# Altium PCB Final_Fantasy.PcbDoc (part 3 of 3)
Units mm, origin at the board's own origin, x right, y up, seen from the top; angles counter-clockwise.
Board outline 152.4 x 101.6 mm, 4 copper layers (Component Side, Ground Plane, Power Plane, Solder Side), stack 0.651 mm thick; 184 components, 159 nets, 718 pads, 120 vias.
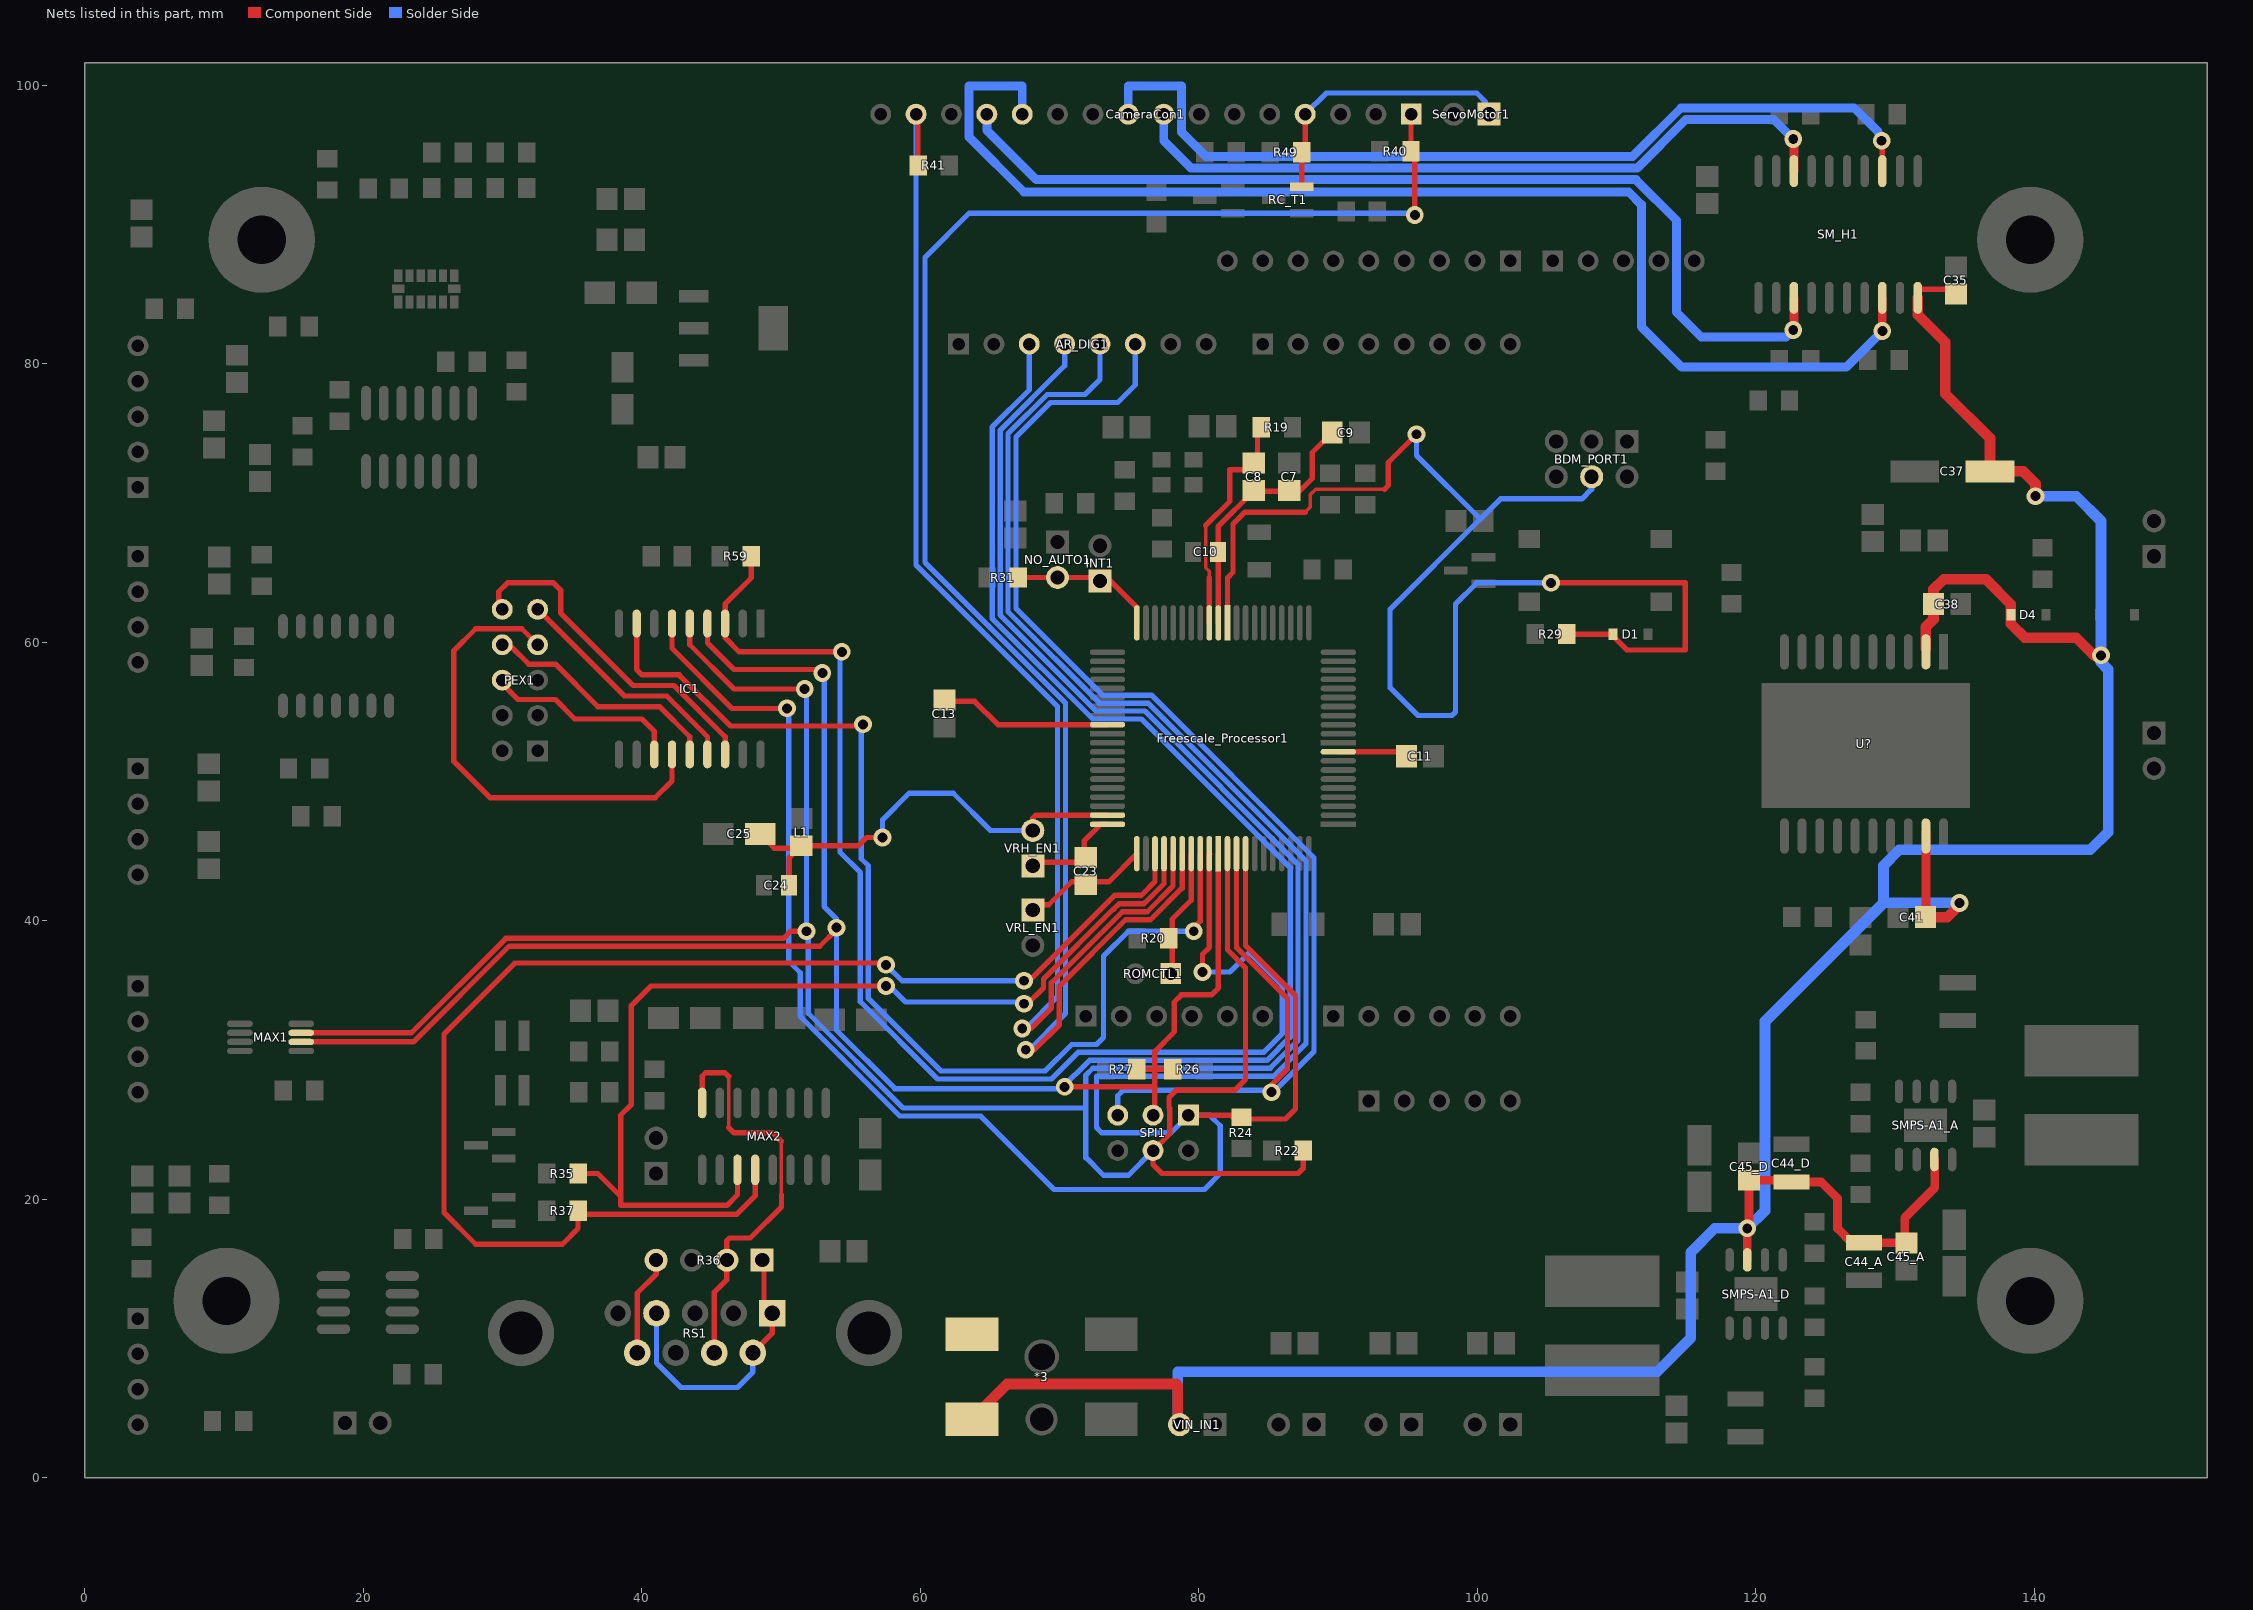
[diagram p5: the nets of this part, all layers, seen from the top]

## Via types
v1: diameter 1.27, hole 0.711, Component Side to Solder Side, 120 vias

## Nets (pads, with @x,y where several pads share a name; then routed paths per layer and width w, separated by ;. In a path a pad name is that pad's centre, name@x,y a point inside that pad or via, vN(x,y) a via of type N, cw(c..) or ccw(c..) an arc to the next point about the centre after c; other vN are vias at no path point) (continued)
PEX3: IC1.12 PEX1.6 | length 14.1
  Component Side w0.381: PEX1.6@30.099,57.152 30.099,56.896 31.115,55.88 33.784,55.88 35.179,54.485 40.005,54.485 40.894,53.596 IC1.12@40.894,51.943
PEX4: IC1.13 PEX1.7 | length 35.1
  Component Side w0.381: PEX1.7@32.258,59.563 32.768,59.563 31.369,60.962 28.067,60.962 26.479,59.374 26.479,51.454 29.1,48.833 40.957,48.833 42.164,50.04 IC1.13@42.164,51.943
PEX5: IC1.14 PEX1.8 | length 17.3
  Component Side w0.381: PEX1.8@30.099,59.692 30.605,59.692 31.875,58.422 33.782,58.422 36.832,55.372 41.275,55.372 43.434,53.213 IC1.14@43.434,51.943
PEX6: IC1.15 PEX1.9 | length 17.1
  Component Side w0.381: PEX1.9@32.639,62.232 38.737,56.134 41.783,56.134 44.704,53.213 IC1.15@44.704,51.943
PEX7: IC1.16 PEX1.10 | length 24.9
  Component Side w0.381: PEX1.10@30.099,62.232 29.718,62.613 29.718,63.629 30.353,64.264 33.653,64.264 34.163,63.754 34.163,62.103 39.37,56.896 42.291,56.896 45.974,53.213 IC1.16@45.974,51.943
PJ6: Freescale_Processor1.69 IC1.3 R59.1 | length 94.7
  Component Side w0.381: R59.1@47.861,66.169 47.861,64.625 45.974,62.738 IC1.3@45.974,61.343 45.974,60.325 46.99,59.309 v1(54.356,59.309) ; v1(80.264,36.322) 80.264,37.592 80.747,38.075 Freescale_Processor1.69@80.747,44.815 Freescale_Processor1.69@80.772,44.79
  Solder Side w0.381: v1(54.356,59.309) 54.229,59.309 54.229,44.912 55.689,43.451 55.689,34.18 61.231,28.639 69.406,28.639 71.31,30.543 84.645,30.543 85.979,31.877 85.979,35.369 83.629,37.719 82.233,36.322 v1(80.264,36.322)
PJ7: Freescale_Processor1.68 IC1.8 | length 80.4
  Component Side w0.381: IC1.8@39.624,61.343 39.624,58.039 40.005,57.658 42.672,57.658 46.355,53.975 55.753,53.975 v1(55.88,54.102) ; v1(79.629,39.243) 79.756,39.37 79.756,39.624 80.097,39.965 Freescale_Processor1.68@80.097,44.815
  Solder Side w0.381: v1(55.88,54.102) 55.753,54.102 55.753,44.45 56.261,43.942 56.261,34.417 61.468,29.21 68.961,29.21 70.866,31.115 72.644,31.115 73.152,31.623 73.152,37.465 74.93,39.243 v1(79.629,39.243) v1@79.629,39.497
R1: R36.1 RS1.1 RS1.4 RS1.6 | length 20.5
  Component Side w0.381: RS1.6@47.97,8.969 49.355,10.354 RS1.1@49.355,11.809 ; RS1.1@48.768,12.142 R36.1@48.768,16.129
  Solder Side w0.381: RS1.4@41.045,11.809 41.045,8.231 42.799,6.477 46.863,6.477 47.97,7.584 RS1.6@47.97,8.969
RESET: BDM_PORT1.4 D1.A Freescale_Processor1.30 R29.2 | length 102.2
  Component Side w0.254: 87.63,69.342 88.011,69.723 88.011,70.612 88.392,70.993 93.345,70.993
  Component Side w0.381: Freescale_Processor1.30@82.047,61.386 82.047,64.617 82.451,65.021 82.451,68.481 83.312,69.342 87.63,69.342 ; 93.345,70.993 93.599,71.247 93.599,72.898 v1(95.631,74.93) ; v1@105.537,64.262 114.935,64.262 114.935,59.436 110.744,59.436 109.601,60.579 106.553,60.579 R29.2@106.036,60.062
  Solder Side w0.381: v1(95.631,74.93) 95.631,73.406 100.203,68.834 93.726,62.357 93.726,56.734 95.723,54.737 98.171,54.737 98.425,54.991 98.425,62.738 99.949,64.262 v1(105.283,64.262) ; 99.949,69.1 100.209,68.84 101.663,70.294 107.505,70.294 108.204,70.993 BDM_PORT1.4@108.204,71.882
ROMCTL: Freescale_Processor1.67 R20.1 ROMCTL1.1 | length 8.9
  Component Side w0.381: ROMCTL1.1@78.232,36.576 78.087,36.721 78.087,40.114 79.446,41.473 Freescale_Processor1.67@79.446,44.815
RT: R36.4 RS1.9 | length 7.2
  Component Side w0.381: RS1.9@39.66,8.969 39.66,11.218 39.672,11.23 39.672,12.388 39.66,12.4 39.66,13.244 41.021,14.605 R36.4@41.021,15.621
RTS: MAX2.8 R36.2 RS1.7 | length 30
  Component Side w0.254: 46.228,25.146 46.228,28.82 ; 50.02,20.338 50.02,24.148
  Component Side w0.381: MAX2.8@44.323,26.911 44.323,28.829 44.577,29.083 45.965,29.083 46.228,28.82 ; RS1.7@45.2,8.969 45.2,13.323 46.101,14.224 R36.2@46.101,15.621 46.101,17.018 46.291,17.208 47.781,17.208 50.02,19.448 50.02,20.338 ; 46.228,25.146 46.609,24.765 49.403,24.765 50.02,24.148
RX_RS232: Freescale_Processor1.63 MAX2.12 R37.2 | length 100.1
  Component Side w0.381: MAX2.12@48.133,22.111 48.133,20.239 46.817,18.923 35.669,18.923 R37.2@35.415,19.177 35.415,17.889 34.29,16.764 28.067,16.764 25.781,19.05 25.781,31.865 30.873,36.957 57.404,36.957 v1(57.531,36.83) ; v1(67.437,35.687) 67.437,35.306 73.952,41.821 75.857,41.821 76.845,42.809 Freescale_Processor1.63@76.845,44.815
  Solder Side w0.381: v1(57.531,36.83) 58.674,35.687 67.056,35.687 67.437,36.068 v1(67.437,35.687)
"SERVO SIGNAL": CameraCon1.4 R49.2 RC_T1.2 ServoMotor1.1 | length 20
  Component Side w0.381: RC_T1.2@87.249,92.705 87.374,92.83 R49.2@87.374,95.057 ; R49.2@87.374,95.184 87.63,95.44 CameraCon1.4@87.63,97.917
  Solder Side w0.381: CameraCon1.4@87.63,97.917 89.154,99.441 99.949,99.441 100.584,98.806 ServoMotor1.1@100.584,97.917
SPI_MISO: AR_DIG1.5 Freescale_Processor1.73 IC1.6 R24.1 SPI1.1 | length 196.5
  Component Side w0.381: IC1.6@42.164,61.343 42.164,59.563 46.482,55.245 v1(50.419,55.245) ; SPI1.1@79.248,26.035 82.278,26.035 82.55,25.763 86.215,25.763 86.931,26.479 86.931,34.642 83.348,38.226 Freescale_Processor1.73@83.348,44.815
  Solder Side w0.381: v1(50.419,55.245) 50.546,55.118 50.546,37.084 51.371,36.258 51.371,33.118 58.518,25.971 64.325,25.971 69.596,20.701 80.391,20.701 81.534,21.844 81.534,25.273 80.772,26.035 SPI1.1@79.248,26.035 77.978,24.765 73.025,24.765 72.644,25.146 72.644,28.829 85.356,28.829 87.694,31.167 87.694,44.285 76.353,55.626 72.852,55.626 66.294,62.184 66.294,74.976 69.105,77.787 71.819,77.787 72.898,78.867 AR_DIG1.5@72.898,81.407
SPI_MOSI: AR_DIG1.4 Freescale_Processor1.71 IC1.5 MAX1.3 R22.1 SPI1.4 | length 228.1
  Component Side w0.381: MAX1.3@15.535,31.948 23.439,31.948 30.226,38.735 50.165,38.735 50.673,39.243 v1(51.816,39.243) ; IC1.5@43.434,61.343 43.434,59.817 46.609,56.642 v1(51.689,56.642) ; Freescale_Processor1.71@82.047,44.815 82.047,37.91 83.347,36.611 83.347,28.61 82.55,27.813 78.359,27.813 77.851,27.305 77.851,26.581 77.903,26.53 77.903,24.69 SPI1.4@76.708,23.495 76.708,22.479 77.343,21.844 87.122,21.844 87.485,22.207 R22.1@87.485,23.495
  Solder Side w0.381: v1@51.816,56.515 v1(51.816,39.243) 51.943,39.116 51.943,33.355 58.755,26.543 71.755,26.543 71.882,26.416 ; AR_DIG1.4@70.358,81.407 70.358,79.848 65.722,75.213 65.722,61.947 72.615,55.054 76.116,55.054 87.122,44.048 87.122,31.404 85.119,29.4 72.373,29.4 71.882,28.91 71.882,26.416 ; SPI1.4@76.708,23.495 74.93,21.717 73.152,21.717 71.882,22.987 71.882,26.416
SPI_SCK: AR_DIG1.3 Freescale_Processor1.70 IC1.4 MAX1.2 R26.2 R27.1 SPI1.3 | length 206.5
  Component Side w0.381: MAX1.2@15.535,31.298 23.597,31.298 30.463,38.163 52.768,38.163 53.975,39.37 v1(53.975,39.497) ; IC1.4@44.704,61.343 44.704,59.944 46.609,58.039 v1@52.451,58.039 ; v1(70.358,28.067) 76.708,28.067 76.835,27.94 76.835,26.162 SPI1.3@76.708,26.035 ; R27.1@75.547,29.337 76.835,29.337 ; 76.835,28.067 76.835,29.337 ; R26.2@78.123,29.337 76.835,29.337 ; Freescale_Processor1.70@81.397,44.815 81.397,35.169 80.899,34.671 78.74,34.671 78.232,34.163 78.232,32.004 76.835,30.607 76.835,29.337
  Solder Side w0.381: v1(52.959,57.785) 53.086,57.658 53.086,41.021 53.975,40.132 v1(53.975,39.497) 53.975,32.131 58.166,27.94 70.104,27.94 72.136,29.972 84.882,29.972 86.55,31.64 86.55,43.812 75.879,54.483 72.378,54.483 65.151,61.71 65.151,75.45 67.818,78.117 AR_DIG1.3@67.818,81.407
SPI_SS: AR_DIG1.6 Freescale_Processor1.72 SPI1.5 | length 104.1
  Component Side w0.381: Freescale_Processor1.72@82.698,44.815 82.698,38.068 86.36,34.405 86.36,29.337 85.217,28.194 v1(85.217,27.686)
  Solder Side w0.381: SPI1.5@74.168,25.908 SPI1.5@74.168,26.035 74.168,27.432 74.549,27.813 85.471,27.813 88.265,30.607 88.265,44.522 76.589,56.197 73.088,56.197 66.865,62.42 66.865,74.739 69.342,77.216 74.168,77.216 75.438,78.486 AR_DIG1.6@75.438,81.407
"STEPPER A": CameraCon1.13 SM_H1.3 | length 71.6
  Component Side w0.635: v1(122.682,82.423) 122.727,82.468 SM_H1.3@122.727,84.731
  Solder Side w0.635: CameraCon1.13@64.77,97.917 64.77,96.774 68.326,93.218 111.379,93.218 114.3,90.297 114.3,83.693 116.078,81.915 122.174,81.915 v1(122.682,82.423)
"STEPPER A BAR": CameraCon1.12 SM_H1.8 | length 90.6
  Component Side w0.381: v1@129.032,82.296 v1(129.077,82.341)
  Component Side w0.635: v1(129.077,82.341) SM_H1.8@129.077,84.731
  Solder Side w0.635: CameraCon1.12@67.31,97.917 67.31,99.949 63.5,99.949 63.5,96.266 67.437,92.329 110.871,92.329 111.772,91.428 111.772,82.665 114.681,79.756 126.492,79.756 v1(129.077,82.341)
"STEPPER B": CameraCon1.9 SM_H1.13 | length 65
  Component Side w0.381: v1(129.032,96.012) 129.077,95.967 SM_H1.13@129.077,93.831
  Solder Side w0.381: 128.778,96.647 129.032,96.393 v1(129.032,96.012)
  Solder Side w0.635: CameraCon1.9@74.93,97.917 74.93,99.949 78.74,99.949 78.74,96.647 80.518,94.869 111.125,94.869 114.617,98.361 127.063,98.361 128.778,96.647
"STEPPER B BAR": CameraCon1.8 SM_H1.18 | length 52.3
  Component Side w0.635: v1(122.682,96.139) 122.727,96.094 SM_H1.18@122.727,93.831
  Solder Side w0.635: CameraCon1.8@77.47,97.917 77.47,96.012 79.438,94.043 111.467,94.043 114.959,97.536 121.285,97.536 v1(122.682,96.139)
SWITCH_LEFT-: CameraCon1.15 Freescale_Processor1.65 R41.2 | length 93
  Component Side w0.381: CameraCon1.15@59.69,97.917 59.799,97.808 R41.2@59.799,94.488 ; v1(67.31,32.258) 67.945,32.258 69.406,33.718 69.406,35.543 74.503,40.64 76.292,40.64 78.146,42.493 Freescale_Processor1.65@78.146,44.815
  Solder Side w0.381: CameraCon1.15@59.69,97.917 59.69,65.555 69.85,55.395 69.85,34.544 67.564,32.258 v1(67.31,32.258)
SWITCH_RIGHT-: CameraCon1.1 Freescale_Processor1.66 R40.2 | length 126.7
  Component Side w0.381: v1(67.564,30.734) 68.199,30.734 69.977,32.512 69.977,35.306 74.739,40.069 76.529,40.069 78.796,42.335 Freescale_Processor1.66@78.796,44.815 ; CameraCon1.1@95.25,97.917 95.232,97.899 R40.2@95.232,95.25 95.504,94.978 v1(95.504,90.678)
  Solder Side w0.381: v1(67.564,30.734) 67.818,30.734 70.421,33.337 70.421,55.632 60.325,65.728 60.325,87.63 63.5,90.805 v1@95.758,90.805
TX_RS232: Freescale_Processor1.64 MAX2.11 R35.1 | length 74.5
  Component Side w0.381: R35.1@35.415,21.844 36.83,21.844 38.481,20.193 ; MAX2.11@46.863,22.111 46.863,20.32 46.101,19.558 38.481,19.558 38.481,20.193 ; v1(57.531,35.306) 40.64,35.306 39.243,33.909 39.243,26.797 38.481,26.035 38.481,20.193 ; v1(67.437,34.036) 67.691,34.036 68.834,35.179 68.834,35.814 73.85,40.831 73.885,40.831 74.266,41.212 76.056,41.212 ; 76.056,41.249 76.094,41.249 77.496,42.651 Freescale_Processor1.64@77.496,44.815
  Solder Side w0.381: v1(57.531,35.306) 57.785,35.306 58.928,34.163 67.564,34.163 v1@67.627,34.227
VDD1: C11.2 Freescale_Processor1.9 | length 4.1
  Component Side w0.381: Freescale_Processor1.9@90.008,52.125 94.093,52.125
VDD2: C13.2 Freescale_Processor1.49 | length 11.9
  Component Side w0.381: C13.2@62.189,55.753 63.892,55.753 65.569,54.076 Freescale_Processor1.49@73.437,54.076
VDDA: C24.2 C25.1 Freescale_Processor1.59 L1.2 VRH_EN1.2 | length 32.5
  Component Side w0.381: C25.1@48.49,46.228 49.506,45.212 51.267,45.212 50.557,44.502 C24.2@50.557,42.545 ; L1.2@51.435,45.38 55.54,45.38 56.134,45.974 v1(57.277,45.974) ; VRH_EN1.2@68.072,46.482 68.072,47.371 68.275,47.574 Freescale_Processor1.59@73.437,47.574
  Solder Side w0.381: v1(57.277,45.974) 57.277,47.244 59.182,49.149 62.357,49.149 65.024,46.482 VRH_EN1.2@68.072,46.482
VDDPLL: C7.1 C8.1 C9.2 C10.2 Freescale_Processor1.31 | length 19.1
  Component Side w0.381: Freescale_Processor1.31@81.397,61.386 81.383,61.401 C10.2@81.383,66.481 81.383,68.311 83.912,70.84 86.396,70.84 86.465,70.822 87.05,70.667 88.138,71.755 88.138,73.619 C9.2@89.576,75.057
VIN: *3.1 C35.1 C37.1 C38.2 C41.1 C44_A.1 C44_D.1 C45_A.1 C45_D.1 D4.A SM_H1.10 SMPS-A1_A.7 SMPS-A1_D.7 U?.2 U?.19 VIN_IN1.2 | length 235.3
  Component Side w0.381: C45_D.1@119.507,21.318 C45_D.1@119.507,21.359 ; SM_H1.10@131.617,84.731 131.617,85.344 134.138,85.344 C35.1@133.871,85.077 ; C41.1@132.166,40.259 132.207,40.3 132.334,40.427 132.334,46.206 U?.19@132.207,46.333
  Component Side w0.635: SMPS-A1_D.7@119.38,15.64 v1(119.38,17.907) 119.507,18.034 C45_D.1@119.507,21.318 ; C45_D.1@119.507,21.359 122.434,21.359 C44_D.1@122.555,21.238 124.685,21.238 125.857,20.066 125.857,17.907 126.895,16.869 C44_A.1@127.762,16.869 130.55,16.869 130.683,17.002 130.683,18.669 132.842,20.828 132.842,22.824 SMPS-A1_A.7@132.818,22.848 ; C41.1@132.207,40.3 U?.19@132.207,46.079 U?.19@132.207,46.333 ; v1@144.272,59.055 v1(144.78,59.055)
  Component Side w0.762: *3.1@63.707,4.191 66.247,6.731 78.359,6.731 78.486,6.604 VIN_IN1.2@78.486,3.937 ; SM_H1.10@131.617,84.731 131.617,83.521 133.604,81.534 133.604,77.851 136.812,74.643 C37.1@136.812,72.263 139.192,72.263 140.081,71.374 v1(140.081,70.485) ; C41.1@132.166,40.259 133.731,40.259 v1@134.747,41.275 ; U?.2@132.207,59.563 132.207,61.087 132.756,61.636 C38.2@132.756,62.738 132.756,63.795 133.477,64.516 136.525,64.516 138.309,62.732 D4.A@138.309,61.976 138.309,61.335 139.319,60.325 143.002,60.325 v1@144.272,59.055
  Solder Side w0.762: VIN_IN1.2@78.486,3.937 78.486,7.62 112.903,7.62 115.316,10.033 115.316,16.174 117.049,17.907 v1(119.38,17.907) 120.65,19.177 120.65,32.766 129.159,41.275 ; v1(134.62,41.275) 129.159,41.275 ; v1(140.081,70.485) 143.002,70.485 144.78,68.707 v1@144.78,59.563 ; v1@144.78,58.547 145.288,58.039 145.288,46.355 144.018,45.085 130.302,45.085 129.159,43.942 129.159,41.275
VRH: C23.2 Freescale_Processor1.60 VRH_EN1.1 | length 7.4
  Component Side w0.381: VRH_EN1.1@68.072,43.942 68.326,44.196 71.136,44.196 C23.2@71.41,44.469 ; C23.2@71.41,44.342 C23.2@71.41,44.469 ; C23.2@71.537,44.469 C23.2@71.41,44.469 ; Freescale_Processor1.60@73.437,46.923 72.958,46.923 71.755,45.72 71.755,44.815 C23.2@71.41,44.469
VRL: C23.1 Freescale_Processor1.61 VRL_EN1.1 | length 9.1
  Component Side w0.381: VRL_EN1.1@67.945,41.148 69.215,41.148 70.866,42.799 73.529,42.799 Freescale_Processor1.61@75.545,44.815
XFC: C8.2 Freescale_Processor1.32 R19.2 | length 16.9
  Component Side w0.254: 80.483,68.386 80.483,65.349 80.747,65.084 80.747,64.643
  Component Side w0.381: 80.483,68.386 82.22,70.123 82.22,72.39 84.201,72.39 84.201,75.008 R19.2@84.565,75.371 ; Freescale_Processor1.32@80.747,61.386 80.747,64.643
XIRQ: Freescale_Processor1.40 INT1.1 NO_AUTO1.2 R31.1 | length 10.5
  Component Side w0.381: R31.1@67.038,64.643 NO_AUTO1.2@69.85,64.643 73.406,64.643 75.545,62.504 Freescale_Processor1.40@75.545,61.386
pads on no net: *3.0 BDM_PORT1.3 BDM_PORT1.5 CameraCon1.3 CameraCon1.10 CameraCon1.11 CameraCon1.14 Freescale_Processor1.27 Freescale_Processor1.37 Freescale_Processor1.38 IC1.2 IC1.17 RS1.10 RS1.11 SMPS-A1_A.2 SMPS-A1_A.3 SMPS-A1_D.2 SMPS-A1_D.3 U1.1 U2.8 U2.9 U2.10 U2.12 U2.13 U2.14 U5.5 U5.6 U5.8 U5.9 U5.10 U5.11 U5.12 U5.13
copper on no net:
  other v1: 22.098,27.813 145.161,96.52

## Polygon pours and split planes (outlines as drawn)
GND on Component Side "Solder Side-No Net" (hatched 90Degree grid 0.508 track 0.178, pour order 4): 1.905,99.187 149.86,99.187 149.86,1.651 1.778,1.651
GND on Solder Side "Solder Side-No Net" (hatched 45Degree grid 0.508 track 0.178, pour order 2): 1.778,99.314 1.905,99.187 149.86,99.187 149.86,1.651 1.778,1.651
GND on Ground Plane (split plane): 151.89,0.51 0.51,0.51 0.51,101.09 151.89,101.09
3.3VD on Power Plane (split plane): 67.181,67.129 67.181,61.468 67.19,61.418 67.218,61.376 82.675,45.92 82.675,34.681 75.565,34.681 75.515,34.671 75.473,34.643 75.445,34.601 75.436,34.551 75.436,34.292 75.445,34.243 75.456,34.228 75.445,34.213 75.436,34.163 75.436,31.75 75.436,31.117 73.281,31.117 73.281,33.655 73.281,45.339 73.272,45.389 73.244,45.431 64.481,54.194 64.439,54.222 64.389,54.231 64.339,54.222 64.297,54.194 64.269,54.152 64.26,54.102 64.26,30.226 64.269,30.176 64.297,30.134 80.77,13.662 80.77,6.663 62.613,24.819 62.613,25.908 62.604,25.958 62.576,26 62.359,26.216 62.359,67.691 62.35,67.741 62.322,67.783 50.094,80.01 50.052,80.038 50.034,80.042 50.031,80.06 50.003,80.102 49.913,80.191 49.913,82.294 52.016,82.294
5VA on Power Plane (split plane): 150.747,99.768 150.747,1.653 126.927,1.653 125.224,3.356 125.224,25.527 125.215,25.577 125.187,25.619 121.504,29.302 121.462,29.33 121.412,29.339 94.109,29.339 94.06,29.33 94.045,29.319 94.03,29.33 93.98,29.339 93.93,29.33 93.888,29.302 93.634,29.048 93.606,29.006 93.597,28.956 93.597,2.542 90.934,2.542 90.934,29.118 90.925,29.168 90.897,29.21 90.855,29.238 90.805,29.248 68.963,29.248 68.963,35.939 73.023,35.939 73.023,33.655 73.023,30.988 73.032,30.938 73.06,30.896 73.102,30.868 73.152,30.859 118.618,30.859 118.668,30.868 118.71,30.896 118.738,30.938 118.747,30.988 118.747,32.004 118.738,32.054 118.71,32.096 116.715,34.09 116.715,88.9 116.706,88.95 116.678,88.992 113.503,92.167 113.461,92.195 113.411,92.204 54.356,92.204 54.306,92.195 54.264,92.167 21.244,59.147 21.216,59.105 21.207,59.055 21.216,59.005 21.244,58.963 21.286,58.935 21.298,58.933 21.298,46.952 20.449,46.103 13.135,46.103 10.543,48.695 10.543,59.055 10.534,59.105 10.506,59.147 8.257,61.395 8.257,63.319 12.284,67.345 14.151,69.213 24.511,69.213 24.561,69.222 24.603,69.25 50.473,95.121 82.804,95.121 82.854,95.13 82.896,95.158 83.912,96.174 83.94,96.216 83.949,96.266 83.949,98.933 83.949,99.641 84.382,100.074 150.441,100.074
5VD on Power Plane (split plane): 151.89,0.51 0.51,0.51 0.51,101.09 151.89,101.09

## Other copper
Component Side:
  rectangle net GND: 123.997,84.731 127.807,93.831
  rectangle net GND: 114.808,86.233 135.509,92.329
  rectangle net 3.3VD: 45.974,78.486 54.27,86.36
  rectangle net VIN: 62.738,3.683 66.675,10.795
  rectangle net GND: 114.3,48.768 143.51,56.769
  pour cut-out: 123.19,14.351 123.317,14.478 127.127,14.478 127.127,11.43 126.746,11.049 126.619,11.176 122.809,11.176
  pour cut-out: 124.206,18.161 124.333,18.034 135.001,18.034 135.001,14.859 134.747,15.113 127.508,14.859 122.555,11.049 124.46,14.986 119.888,10.414
  pour cut-out: 2.413,36.449 3.175,36.449 5.588,36.449 5.588,33.147 5.588,29.718 5.588,28.956 2.413,28.956 2.413,26.121
  pour cut-out: 37.043,6.731 37.043,10.795 39.497,10.795 39.497,11.938 39.497,13.843 50.8,13.843 50.8,5.969 50.8,6.731 50.038,6.731 40.005,6.731
  pour cut-out: 20.255,19.177 25.781,19.177 25.908,19.05 25.781,18.923 25.781,15.367 21.121,15.367 20.255,15.367
  pour cut-out: 2.54,23.622 10.16,23.622 11.165,23.622 11.165,18.785 11.165,17.78 9.01,17.78 4.946,13.716 4.452,13.716 2.54,13.716
  pour cut-out: 2.54,55.88 10.668,55.88 21.533,55.88 21.533,49.974 18.923,49.974 18.923,41.91 8.863,41.91 4.572,41.91 2.54,41.91
  pour cut-out: 14.097,67.536 14.097,56.769 13.716,56.388 13.589,54.991 2.54,54.991 2.54,58.676 2.54,67.536
  pour cut-out: 2.555,92.583 6.096,92.583 6.096,85.979 6.096,85.105 2.555,85.105
  pour cut-out: 2.239,85.217 14.986,85.217 18.161,82.042 13.589,77.47 13.589,70.612 6.604,70.612 2.54,74.676
  pour cut-out: 36.195,92.232 41.243,92.232 41.273,92.202 40.894,91.823 40.894,87.376 36.4,87.376 36.257,87.52
  pour cut-out: 16.256,96.139 16.51,96.393 32.893,96.393 32.893,91.567 32.859,91.601 16.166,91.601
  pour cut-out: 103.632,82.647 61.604,82.647 61.595,82.656 61.468,82.529 61.468,80.137 103.632,80.137
  pour cut-out: 81.813,88.646 116.664,88.646 114.124,86.106 84.48,86.106
  pour cut-out: 75.814,96.139 96.139,96.139 96.139,94.107 96.139,89.916 96.139,89.535 75.814,89.535
  pour cut-out: 102.42,99.187 55.84,99.187 55.84,96.814 56.007,96.647 56.134,96.774 102.162,96.774
  pour cut-out: 116.141,97.917 117.094,97.917 139.954,97.917 146.24,91.63 146.24,90.551 146.24,84.455 146.24,78.359 117.284,78.359 116.141,79.502
  pour cut-out: 147.828,73.759 122.908,73.759 108.712,59.563 109.347,58.928 109.347,50.673 118.872,40.894 135.509,40.894 141.732,40.894 147.48,40.894 147.574,49.784
  pour cut-out: 138.367,75.728 138.367,74.041 138.367,68.453 132.842,68.326 132.842,75.728
  pour cut-out: 125.862,35.814 146.601,35.814 148.463,33.952 148.463,15.113 143.129,15.113 135.89,15.113 126.746,15.113 126.746,8.699 125.222,8.699 126.746,8.699 126.746,4.912 125.222,4.826 103.759,4.826 103.759,17.78 110.998,17.78 117.348,24.13 125.862,24.13
  pour cut-out: 35.941,62.484 36.449,62.992 50.673,62.992 50.673,50.546 50.419,50.292 50.165,50.546 35.814,50.546
  pour cut-out: 14.859,79.883 31.369,79.883 31.369,78.613 31.369,76.835 31.369,73.66 31.369,70.231 14.859,70.231 14.859,70.855
  pour cut-out: 19.939,88.519 20.066,88.646 29.083,88.646 29.083,81.915 28.956,82.042 19.685,82.042
  pour cut-out: 35.179,87.52 50.402,87.52 50.927,86.995 50.927,75.184 35.433,75.184 35.306,75.311
  pour cut-out: 11.176,63.029 11.266,63.119 23.299,63.119 23.299,54.424 22.596,53.721 11.176,53.721 11.266,58.166
  pour cut-out: 9.525,33.782 10.414,33.782 17.526,33.782 17.526,29.591 16.857,28.922 9.525,28.922
  pour cut-out: 2.413,12.827 5.143,12.827 5.143,12.065 5.08,10.985 5.08,5.186 2.519,5.186 2.413,5.08
  pour cut-out: 16.256,15.748 24.555,15.748 24.555,9.696 23.241,8.382 16.256,8.509
  pour cut-out: 27.051,36.703 56.769,36.703 58.801,36.703 58.801,34.163 58.801,15.621 50.292,15.621 50.292,13.462 40.767,13.462 40.767,17.272 37.592,17.272 26.289,17.272
  region net NetC46_A_1: 143.256,24.257 139.131,17.805 134.112,17.805 134.112,22.824 134.088,22.848 135.69,24.45 136.398,24.45
  region net NetC46_D_1: 108.966,14.104 115.672,20.811 118.11,18.373 118.11,15.64 118.11,14.993 117.221,14.104 115.316,14.038
  pour cut-out: 127.381,14.097 127.381,4.826 125.73,3.175 114.173,3.175 114.173,5.08 114.681,5.588
  pour cut-out: 28.538,63.627 28.634,63.532 33.718,63.532 33.612,53.086 31.242,53.086 31.242,50.292 28.448,50.292
  pour cut-out: 99.187,78.486 44.958,78.486 43.815,77.343 43.815,24.892 49.022,19.685 89.027,19.685 89.027,36.322 89.662,36.957 90.224,36.395 94.742,36.322 87.122,43.942 80.645,52.578 99.187,52.832
Solder Side:
  region net GND: 135.019,83.693 135.019,94.996 117.366,94.996 117.366,83.693
  rectangle net GND: 116.967,47.625 142.748,57.658
  rectangle net GND: 129.667,22.86 134.682,27.875
  rectangle net GND: 117.475,10.433 122.682,15.442
  pour cut-out: 81.915,75.627 81.956,75.586 81.956,69.025 72.671,69.025 72.644,69.052 72.771,69.179 72.771,75.565
Power Plane (plane layer: these items are gaps in the copper):
  lines w0.254: 21.336,59.055 54.356,92.075 84.836,92.075 103.124,92.075 113.411,92.075 116.586,88.9 116.586,34.036 118.618,32.004 118.618,30.988 75.565,30.988 ; 21.428,58.963 21.428,46.898 20.503,45.974 13.081,45.974 10.414,48.641 10.414,59.055 8.128,61.341 8.128,63.373 12.192,67.437 14.097,69.342 24.511,69.342 50.419,95.25 82.804,95.25 83.82,96.266 83.82,98.933 83.82,99.695 84.328,100.203 ; 49.911,80.01 49.784,80.137 49.784,82.423 52.07,82.423 67.31,67.183 67.31,61.468 82.804,45.974 82.804,34.551 75.565,34.551 75.565,34.292 ; 50.003,79.918 62.23,67.691 62.23,26.162 62.484,25.908 62.484,24.765 80.899,6.35 80.899,13.716 64.389,30.226 64.389,54.102 73.152,45.339 73.152,33.655 73.152,30.988 73.724,30.988 75.565,30.988 ; 73.025,36.068 68.834,36.068 68.834,29.118 90.805,29.118 90.805,2.413 93.726,2.413 93.726,28.956 93.98,29.21 ; 75.565,31.75 75.565,30.988 ; 75.565,34.163 75.565,30.988 ; 85.725,100.203 84.328,100.203 ; 94.109,29.21 121.412,29.21 ; 121.158,29.21 121.412,29.21 ; 84.328,100.203 150.495,100.203 150.876,99.822 150.876,1.524 126.873,1.524 125.095,3.302 125.095,25.527 121.412,29.21

## Silkscreen, mask and mechanical layers (free items; w line width, h text height)
Top Overlay:
  drawing of 171 lines, arcs and shapes, not listed
  text "GND" at 56.515,99.568 h0.51
  text "SWL" at 59.055,99.568 h0.51
  text "STA" at 64.008,99.568 h0.51
  text "/STA" at 66.294,99.568 h0.51
  text "STB" at 74.295,99.568 h0.51
  text "/STB" at 76.327,99.568 h0.51
  text "GND" at 80.391,99.568 h0.51
  text "5VA" at 84.455,99.568 h0.51
  text "SS" at 87.122,99.568 h0.51
  text "GND" at 92.075,99.568 h0.51
  text "SWR" at 94.488,99.568 h0.51
  text "SS2" at 97.536,99.441 h0.51
  text "SS1" at 99.949,99.441 h0.51
  text "3.3V Regulator" at 35.433,97.155 h1.52
  text "Accelerometer" at 3.175,97.028 h1.52
  text "11" at 131.826,96.012 h0.51 r90
  text "Motor Connector" at 55.753,89.408 h1.52
  text "1" at 27.813,86.487 h0.51
  text "1" at 42.799,86.487 h0.51 r270
  text "Arduino Header" at 55.626,85.725 h1.52
  text "A7" at 84.836,84.709 h0.51 r90
  text "A6" at 87.376,84.709 h0.51 r90
  text "A5" at 89.916,84.709 h0.51 r90
  text "A4" at 92.456,84.709 h0.51 r90
  text "A3" at 94.996,84.709 h0.51 r90
  text "A2" at 97.536,84.709 h0.51 r90
  text "A1" at 99.949,84.709 h0.51 r90
  text "A0" at 102.616,84.709 h0.51 r90
  text "B7" at 105.664,84.709 h0.51 r90
  text "B6" at 108.204,84.709 h0.51 r90
  text "B5" at 110.744,84.709 h0.51 r90
  text "B4" at 113.411,84.709 h0.51 r90
  text "GND" at 82.296,84.201 h0.51 r90
  text "8" at 20.955,83.947 h0.51
  text "5VD" at 62.992,83.185 h0.51 r90
  text "GND" at 65.532,83.185 h0.51 r90
  text "D13" at 68.072,83.185 h0.51 r90
  text "D12" at 70.612,83.185 h0.51 r90
  text "D11" at 73.152,83.185 h0.51 r90
  text "D10" at 75.692,83.185 h0.51 r90
  text "D9" at 78.232,83.185 h0.51 r90
  text "D8" at 80.772,83.185 h0.51 r90
  text "D7" at 84.836,83.185 h0.51 r90
  text "D6" at 87.376,83.185 h0.51 r90
  text "D5" at 89.916,83.185 h0.51 r90
  text "D4" at 92.456,83.185 h0.51 r90
  text "D3" at 94.996,83.185 h0.51 r90
  text "D2" at 97.536,83.185 h0.51 r90
  text "D1" at 100.076,83.185 h0.51 r90
  text "D0" at 102.616,83.185 h0.51 r90
  text "1" at 120.396,82.296 h0.51 r90
  text "AUXIN" at 5.715,81.026 h0.51
  text "1" at 28.702,78.867 h0.51 r90
  text "3" at 42.799,78.867 h0.51 r270
  text "XOUT" at 5.715,78.486 h0.51
  text "SCK" at 68.072,78.105 h0.51 r90
  text "MOSI" at 70.612,77.978 h0.51 r90
  text "MISO" at 73.152,77.978 h0.51 r90
  text "SS" at 75.692,77.978 h0.51 r90
  text "PA1" at 78.232,77.978 h0.51 r90
  text "PA0" at 80.772,77.978 h0.51 r90
  text "PA7" at 84.836,77.978 h0.51 r90
  text "PA6" at 87.249,77.978 h0.51 r90
  text "PA5" at 89.916,77.978 h0.51 r90
  text "PA4" at 92.456,77.978 h0.51 r90
  text "PA3" at 94.996,77.978 h0.51 r90
  text "PA2" at 97.536,77.978 h0.51 r90
  text "PB7" at 99.949,77.978 h0.51 r90
  text "PB6" at 102.743,77.978 h0.51 r90
  text "Stepper Motor" at 134.747,77.343 h1.52
  text "MODC" at 111.125,76.327 h0.51 r90
  text "YOUT" at 5.715,75.946 h0.51
  text "ZOUT" at 5.715,73.279 h0.51
  text "GND" at 5.715,70.866 h0.51
  text "8" at 20.32,70.231 h0.51 r90
  text "5VD" at 105.918,68.961 h0.51 r90
  text "RST" at 108.458,68.961 h0.51 r90
  text "GND" at 111.125,68.961 h0.51 r90
  text "IRQ" at 75.184,67.056 h0.51
  text "ENLED" at 5.715,65.913 h0.51
  text "XIRQ" at 75.057,64.262 h0.51
  text "GND" at 5.715,63.246 h0.51
  text "1" at 48.768,63.246 h0.51 r90
  text "PX7" at 26.67,61.976 h0.51
  text "10" at 122.174,61.468 h0.51 r90
  text "GND" at 5.715,60.706 h0.51
  text "PX5" at 26.67,59.563 h0.51
  text "PX4" at 34.29,59.309 h0.51
  text "OP" at 5.715,58.293 h0.51
  text "PX2" at 34.29,56.896 h0.51
  text "PX3" at 26.67,56.769 h0.51
  text "PX1" at 26.67,54.356 h0.51
  text "PX0" at 34.29,54.356 h0.51
  text "1" at 14.478,53.594 h0.51 r90
  text "GND" at 34.29,51.943 h0.51
  text "ENLED" at 5.715,50.673 h0.51
  text "10" at 38.608,49.784 h0.51 r90
  text "GND" at 5.715,48.133 h0.51
  text "VDDA" at 64.389,46.228 h0.51
  text "GND" at 5.715,45.593 h0.51
  text "VRH" at 64.897,43.688 h0.51
  text "20" at 133.731,43.434 h0.51 r90
  text "OP" at 5.715,43.053 h0.51
  text "Motor Encoder" at 10.541,41.402 h1.52
  text "PORT-EX" at 26.797,41.402 h1.52
  text "VRL" at 64.897,40.386 h0.51
  text "DAC" at 21.082,38.1 h1.52
  text "RS232" at 26.924,38.1 h1.52
  text "GND" at 64.897,37.973 h0.51
  text "DC Motor" at 139.446,37.338 h1.52
  text "REFOUT" at 5.715,35.306 h0.51
  text "SMPS Digital" at 104.902,34.29 h1.52
  text "OUTB" at 5.715,32.639 h0.51
  text "3.3" at 74.676,30.48 h0.51 r90
  text "A0" at 89.916,30.48 h0.51 r90
  text "A1" at 92.456,30.48 h0.51 r90
  text "A2" at 94.996,30.48 h0.51 r90
  text "A3" at 97.536,30.48 h0.51 r90
  text "A4" at 100.076,30.48 h0.51 r90
  text "A5" at 102.616,30.48 h0.51 r90
  text "5VA" at 72.136,30.099 h0.51 r90
  text "5VD" at 77.216,30.099 h0.51 r90
  text "GND" at 82.296,30.099 h0.51 r90
  text "GND" at 84.836,30.099 h0.51 r90
  text "OUTA" at 5.715,29.972 h0.51
  text "8" at 8.89,29.718 h0.51
  text "1" at 17.399,29.718 h0.51
  text "1" at 134.493,29.21 h0.51 r90
  text "1" at 53.467,28.702 h0.51 r90
  text "GND" at 5.715,27.432 h0.51
  text "5" at 72.136,26.162 h0.51
  text "1" at 80.899,26.162 h0.51
  text "A7" at 94.996,24.511 h0.51 r90
  text "A6" at 97.536,24.511 h0.51 r90
  text "A5" at 100.076,24.511 h0.51 r90
  text "A4" at 102.616,24.511 h0.51 r90
  text "GND" at 92.456,24.003 h0.51 r90
  text "6" at 72.136,22.987 h0.51
  text "2" at 80.899,22.987 h0.51
  text "CAN Bus" at 14.859,22.352 h1.52
  text "5" at 130.556,21.336 h0.51 r90
  text "SPI" at 64.643,21.082 h1.52
  text "9" at 44.577,19.558 h0.51 r90
  text "DC Input" at 94.615,17.78 h1.52
  text "RT" at 41.275,17.526 h0.51 r90
  text "CTS" at 43.815,17.526 h0.51 r90
  text "RTS" at 46.355,17.526 h0.51 r90
  text "DCD" at 48.895,17.526 h0.51 r90
  text "1" at 122.047,17.145 h0.51 r90
  text "VIN 8v - 24v" at 97.409,16.256 h0.51
  text "5" at 15.748,14.859 h0.51 r180
  text "L" at 5.715,11.176 h0.51
  text "1" at 25.146,11.049 h0.51 r180
  text "1" at 118.364,9.271 h0.51 r90
  text "H" at 5.715,8.636 h0.51
  text "VREF" at 5.715,6.096 h0.51
  text "5VD" at 85.979,5.842 h0.51 r90
  text "VIN" at 78.74,5.715 h0.51 r90
  text "GND" at 88.519,5.715 h0.51 r90
  text "5VA" at 92.964,5.715 h0.51 r90
  text "GND" at 95.504,5.715 h0.51 r90
  text "3.3VD" at 100.076,5.715 h0.51 r90
  text "GND" at 102.616,5.715 h0.51 r90
  text "VREF" at 19.177,5.588 h0.51 r90
  text "5VD" at 21.844,5.588 h0.51 r90
  text "GND" at 81.407,5.588 h0.51 r90
  text "GND" at 5.715,3.556 h0.51
  text "SMPS Analog" at 126.746,3.048 h1.52
Mechanical 1:
  the board outline again, w2.54
Mechanical 2:
  region: 14.478,33.02 14.478,30.226 16.637,30.226 16.637,33.02
  region: 10.033,33.147 10.033,30.099 12.192,30.099 12.192,33.147
  region: 88.519,59.69 88.519,46.355 91.313,46.355 91.313,59.69
  region: 88.519,46.228 75.184,46.228 75.184,43.434 88.519,43.434
  region: 74.93,46.355 74.93,59.69 72.136,59.69 72.136,46.355
  rectangle: 74.93,60.071 88.265,62.865
Drill Drawing:
  circle w0.254: c65.04,161.1 r0.381
  circle w0.254: c65.04,161.1 r0.635
  circle w0.254: c65.04,138.239 r0.635
  lines w0.254: 64.405,133.794 64.405,134.112 64.722,134.429 64.405,134.747 64.405,135.064 64.722,135.064 65.04,134.747 65.357,135.064 65.675,135.064 65.675,134.747 65.357,134.429 65.675,134.112 65.675,133.794 65.357,133.794 65.04,134.112 64.722,133.794 64.405,133.794 ; 64.405,142.684 65.675,142.684 65.04,141.415 64.405,142.684 ; 64.405,145.542 64.722,145.542 65.04,145.225 65.357,145.542 65.675,145.542 65.357,145.859 65.675,146.177 65.357,146.177 65.04,146.494 64.722,146.177 64.405,146.177 64.722,145.859 64.405,145.542 ; 64.405,149.352 64.722,149.352 64.722,149.034 65.357,149.034 65.357,149.352 65.675,149.352 65.675,149.987 65.357,149.987 65.357,150.304 64.722,150.304 64.722,149.987 64.405,149.987 64.405,149.352 ; 64.405,152.844 65.04,153.162 65.675,152.844 65.357,153.48 65.675,154.114 65.04,153.797 64.405,154.114 64.722,153.48 64.405,152.844 ; 64.405,157.924 65.675,157.924 65.04,156.654 64.405,157.924 ; 64.659,157.671 65.421,157.671 65.04,156.909 64.659,157.671
  lines w0.381: 62.674,132.651 161.2,132.651 ; 62.674,163.131 161.2,163.131 ; 76.667,128.841 76.667,166.941 ; 94.391,128.841 94.391,166.941 ; 128.57,128.841 128.57,166.941 ; 141.419,128.841 141.419,166.941 ; 62.674,128.841 161.2,128.841 161.2,166.941 62.674,166.941 62.674,128.841
  text "Symbol" at 64.96,164.274 h1.83
  text "Hit Count" at 77.81,164.274 h1.83
  text "Finished Hole Size" at 95.534,164.274 h1.83
  text "Plated" at 129.713,164.274 h1.83
  text "Hole Type" at 142.562,164.274 h1.83
  text "1" at 77.81,160.464 h1.52
  text "66.93mil (1.700mm)" at 95.534,160.464 h1.52
  text "PTH" at 129.713,160.464 h1.52
  text "Round" at 142.562,160.464 h1.52
  text "1" at 77.81,156.654 h1.52
  text "74.80mil (1.900mm)" at 95.534,156.654 h1.52
  text "PTH" at 129.713,156.654 h1.52
  text "Round" at 142.562,156.654 h1.52
  text "2" at 77.81,152.844 h1.52
  text "122.05mil (3.100mm)" at 95.534,152.844 h1.52
  text "PTH" at 129.713,152.844 h1.52
  text "Round" at 142.562,152.844 h1.52
  text "4" at 77.81,149.034 h1.52
  text "136.00mil (3.454mm)" at 95.534,149.034 h1.52
  text "PTH" at 129.713,149.034 h1.52
  text "Round" at 142.562,149.034 h1.52
  text "9" at 77.81,145.225 h1.52
  text "42.91mil (1.090mm)" at 95.534,145.225 h1.52
  text "PTH" at 129.713,145.225 h1.52
  text "Round" at 142.562,145.225 h1.52
  text "36" at 77.81,141.415 h1.52
  text "40.00mil (1.016mm)" at 95.534,141.415 h1.52
  text "PTH" at 129.713,141.415 h1.52
  text "Round" at 142.562,141.415 h1.52
  text "102" at 77.81,137.605 h1.52
  text "35.43mil (0.900mm)" at 95.534,137.605 h1.52
  text "PTH" at 129.713,137.605 h1.52
  text "Round" at 142.562,137.605 h1.52
  text "120" at 77.81,133.794 h1.52
  text "28.00mil (0.711mm)" at 95.534,133.794 h1.52
  text "PTH" at 129.713,133.794 h1.52
  text "Round" at 142.562,133.794 h1.52
  text "275 Total" at 77.81,129.984 h1.52

## Text inside footprints (layer, text, board x,y; h text height)
Freescale_Processor1: Top Overlay "1" at 88.215,46.715 h0.95 r90; Top Overlay "21" at 87.508,59.594 h0.95 r180; Top Overlay "41" at 75.229,58.887 h0.95 r270; Top Overlay "61" at 75.936,46.608 h0.95; Mechanical 1 "1" at 88.215,46.715 h0.95 r90; Mechanical 1 "21" at 87.508,59.594 h0.95 r180; Mechanical 1 "41" at 75.229,58.887 h0.95 r270; Mechanical 1 "61" at 75.936,46.608 h0.95
RS1: Top Overlay "6" at 48.47,5.864 h1.5 r180; Top Overlay "9" at 40.16,5.864 h1.5 r180